# Altium PCB cheriot-test.PcbDoc (part 10 of 12)
Units mil, origin at the board's own origin, x right, y up, seen from the top; angles counter-clockwise.
Board outline 6629.92 x 3149.61 mil, 8 copper layers (Top Layer, Int1 (Sign), Int2 (GND), Int3 (Sign), Int4 (Sign), Int5 (PWR), Int6 (Sign), Bottom Layer), stack 60.424 mil thick; 496 components, 639 nets, 2898 pads, 1737 vias.
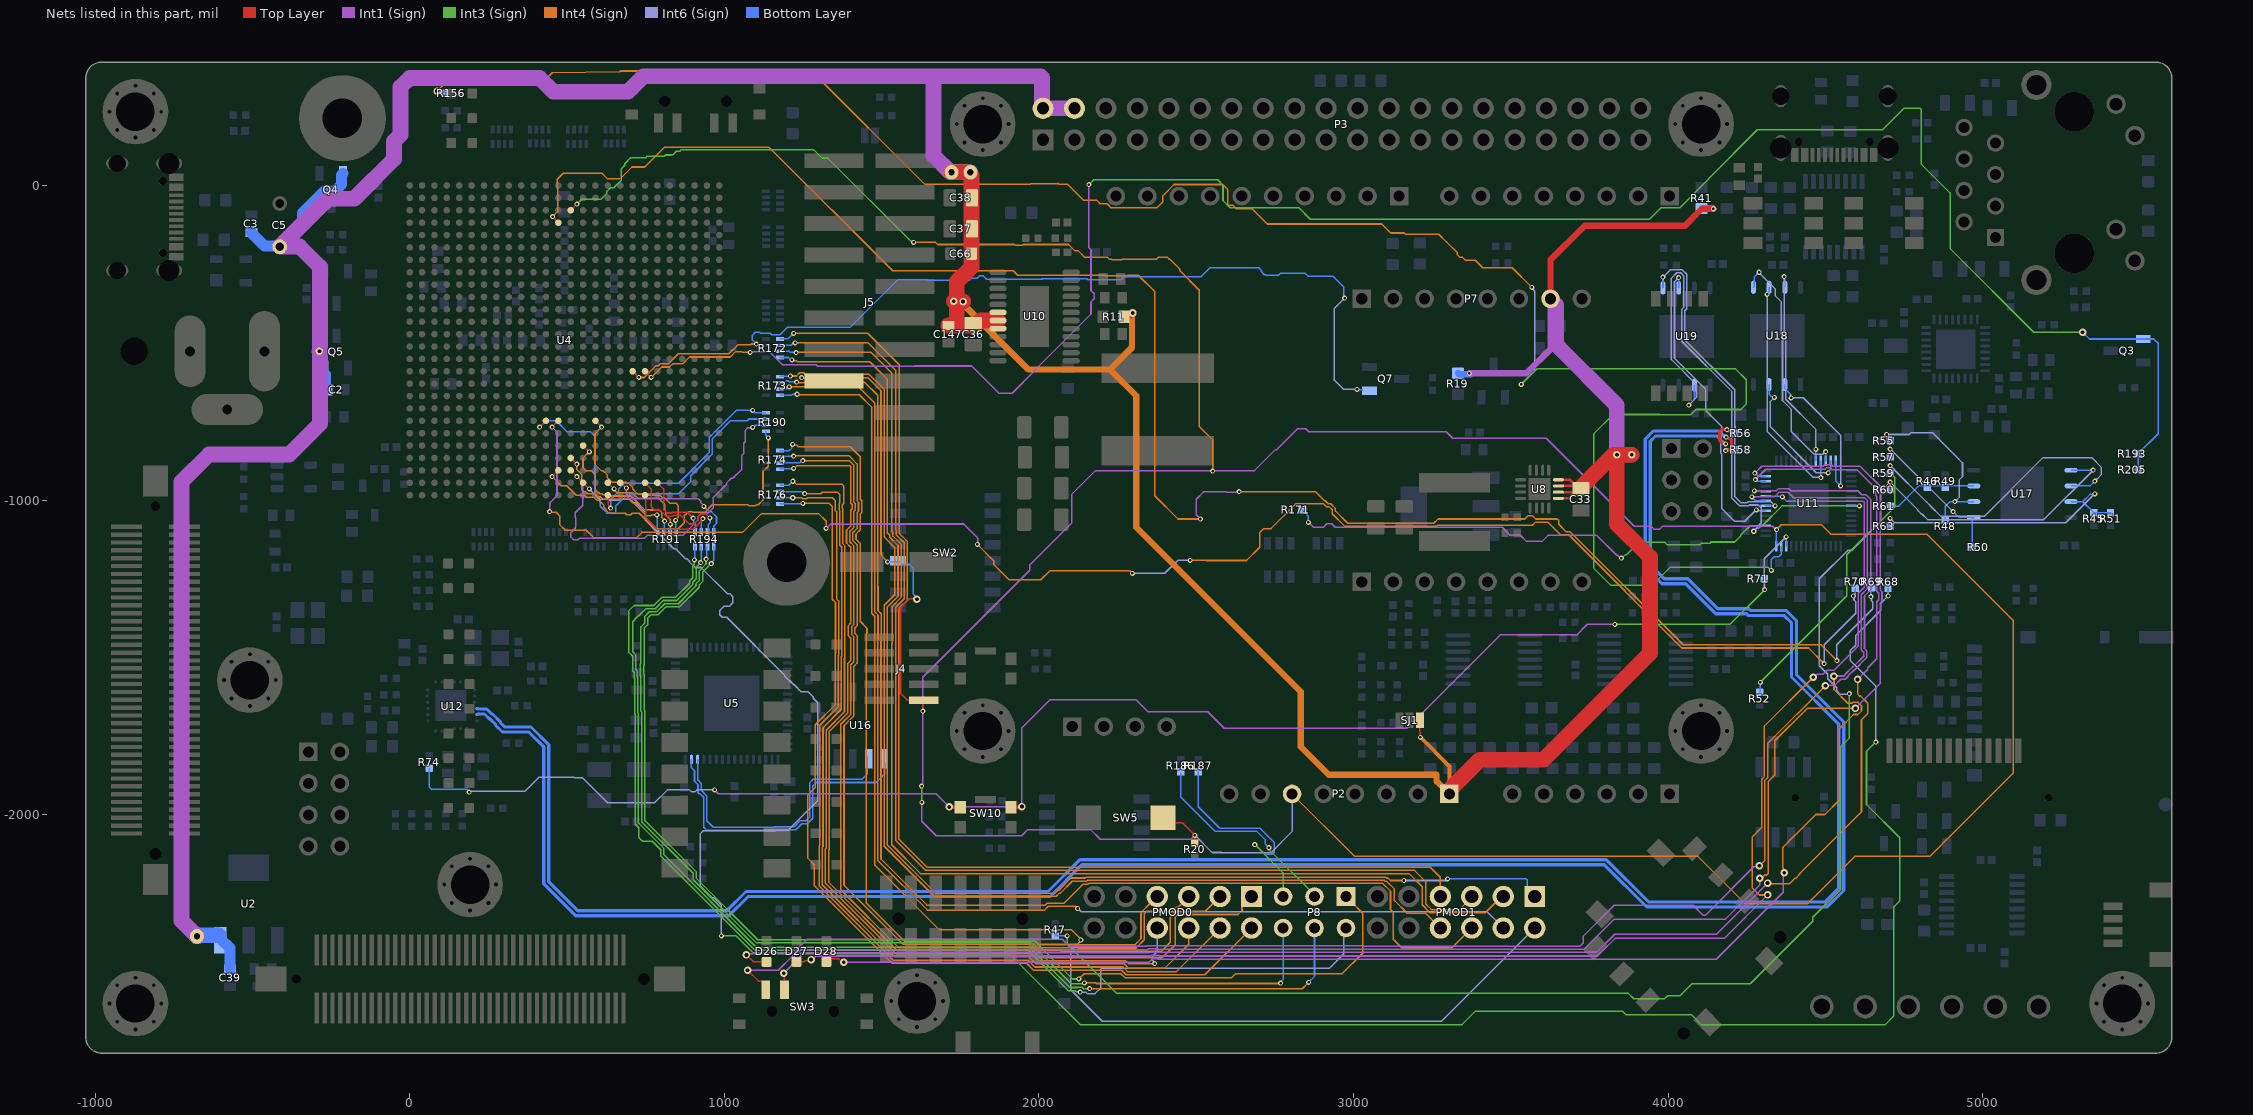
[diagram p16: the nets of this part, all layers, seen from the top]

## Via types
v1: diameter 16, hole 8, Top Layer to Bottom Layer, tented both sides, 1442 vias
v2: diameter 24, hole 12, Top Layer to Bottom Layer, tented both sides, 257 vias
v3: diameter 23.62, hole 11.81, Top Layer to Bottom Layer, tented both sides, 16 vias
v4: diameter 45, hole 20, Top Layer to Bottom Layer, 14 vias
v5: diameter 19.68, hole 8, Top Layer to Bottom Layer, 8 vias

## Nets (pads, with @x,y where several pads share a name; then routed paths per layer and width w, separated by ;. In a path a pad name is that pad's centre, name@x,y a point inside that pad or via, vN(x,y) a via of type N, cw(c..) or ccw(c..) an arc to the next point about the centre after c; other vN are vias at no path point) (continued)
NetR190_1A: R190.1A U4.P24 | length 1065.1
  Top Layer w5: v1(452.76,-925.2) U4.P24@472.44,-905.51
  Int4 (Sign) w5: v1(452.76,-925.2) 481.56,-954 499.01,-954 529.51,-984.5 554.74,-984.5 560.87,-990.64 586.1,-990.64 595.53,-1000.07 600.99,-1000.07 616.78,-1015.86 616.78,-1022.2 623.5,-1028.92 623.5,-1031.99 632.58,-1041.07 635.65,-1041.07 636.08,-1041.5 685.25,-1041.5 689.85,-1046.11 702.69,-1046.11 707.3,-1041.5 729.93,-1041.5 781.23,-1092.8 852.2,-1092.8 873,-1072 873,-1050 886,-1037 896.97,-1037 899.09,-1039.12 937.8,-1039.12 961.92,-1015 1074.94,-1015 1078.4,-1018.46 1099.52,-1018.46 1102.98,-1015 1108,-1015 1123,-1000 1123,-909 1140,-892 v1(1140,-802)
  Bottom Layer w5: R190.1A@1131.85,-781.5 1131.85,-793.99 1141,-803.14 v1@1141,-805
NetR190_2A: R190.2A U4.N24 | length 1112.7
  Top Layer w5: U4.N24@511.81,-905.51 v1(531.5,-925.2)
  Int1 (Sign) w5: v1(531.5,-925.2) 550.5,-944.2 550.5,-1016.42 526.5,-1040.42 526.5,-1055.58 527.42,-1056.5 527.42,-1085.91 526.5,-1086.83 526.5,-1089.64 512.5,-1103.64 512.5,-1117.42 521.58,-1126.5 534.42,-1126.5 539.92,-1121 746.08,-1121 755.54,-1111.54 868.38,-1111.54 916.5,-1063.42 916.5,-1052.58 925.58,-1043.5 938.42,-1043.5 940.88,-1041.04 949.05,-1041.04 965.5,-1024.59 965.5,-991.22 1007.34,-949.38 1007.34,-945.57 1022.28,-930.63 1027,-930.63 1056,-901.64 1056,-857.06 1061.5,-851.56 1061.5,-819.58 1066.28,-814.8 1066.28,-778.72 1074.76,-770.24 1088.89,-770.24 v1(1090.26,-768.88)
  Bottom Layer w5: v1(1090.26,-768.88) 1093.23,-768.88 1100.3,-761.81 R190.2A@1131.85,-761.81
NetR190_3A: R190.3A U4.R20 | length 1169.1
  Top Layer w5: v1(413.39,-767.72) U4.R20@433.07,-748.03
  Bottom Layer w5: v1(413.39,-767.72) 433.1,-748 465,-748 ; 465.5,-747.5 501.22,-783.22 575,-783.22 589,-797.22 589,-983.5 605.89,-1000.39 605.89,-1019.89 627.07,-1041.07 650.93,-1041.07 654.5,-1037.5 654.5,-1019.58 693.79,-980.29 853.71,-980.29 893,-941 893,-922.14 962,-853.14 962,-805.38 1019.38,-748 1073,-748 1078,-743 ; 1078,-742.13 R190.3A@1131.85,-742.13
NetR190_4A: R190.4A U4.K26 | length 718.6
  Top Layer w5: U4.K26@629.92,-984.25 630.66,-984.99 630.66,-1014.25 639,-1022.59 v1(639,-1025.57)
  Bottom Layer w5: v1(639,-1025.57) 639,-997.09 665.11,-970.99 665.11,-963.45 682.56,-946 855,-946 952,-849 952,-800 968.78,-783.22 970.02,-783.22 1038.24,-715 1087,-715 v1@1089,-717 ; v1@1090.5,-715.5 1097.44,-722.44 R190.4A@1131.85,-722.44
  other v1: 1090,-715
NetR191_1A: R191.1A U4.N23 | length 445.3
  Top Layer w5: U4.N23@511.81,-866.14 v1(531.5,-885.83)
  Int4 (Sign) w5: v1@533,-887 531.5,-888.5 531.5,-903.28 547,-918.78 547,-967.14 553.46,-973.6 557.98,-973.6 564.45,-980.07 583.93,-980.07 584.5,-980.64 590.24,-980.64 599.67,-990.07 607.2,-990.07 614.13,-997 698.62,-997 710.22,-1008.6 711.18,-1008.6 752.57,-1050 766.3,-1050 769.3,-1047 v1(786,-1047)
  Bottom Layer w5: v1(786,-1047) 787.04,-1048.04 787.04,-1100.82 R191.1A@788.07,-1101.85
NetR191_2A: R191.2A U4.M22 | length 491.5
  Top Layer w5: U4.M22@551.18,-826.77 v1(570.87,-846.46)
  Int4 (Sign) w5: v1(570.87,-846.46) 551,-866.32 551,-899 559,-907 578,-907 590,-919 590,-966.25 603.82,-980.07 611.34,-980.07 614.78,-983.5 633.5,-983.5 637,-987 702.76,-987 714.36,-998.6 715.32,-998.6 746.72,-1030 764,-1030 765.5,-1031.5 792.42,-1031.5 801.66,-1040.74 801.66,-1055.4 810.42,-1064.16 v1(810.42,-1066.42)
  Bottom Layer w5: R191.2A@807.76,-1101.85 809.09,-1100.52 809.09,-1067.75 v1(810.42,-1066.42)
NetR191_3A: R191.3A U4.K25 | length 301.5
  Top Layer w5: U4.K25@629.92,-944.88 v1(649.61,-964.57)
  Int4 (Sign) w5: v1@653,-969 653,-970 660,-977 706.9,-977 718.51,-988.6 719.46,-988.6 724.86,-994 790.92,-994 811.13,-1014.21 811.13,-1017.76 809.9,-1018.99 809.9,-1031.83 814,-1035.92 814,-1047.08 828.38,-1061.46 v1(828.38,-1077.3)
  Bottom Layer w5: R191.3A@827.44,-1101.85 827.91,-1101.38 827.91,-1077.77 v1(828.38,-1077.3)
NetR191_4A: R191.4A U4.L20 | length 569.7
  Top Layer w5: U4.L20@590.55,-748.03 v1(610.24,-767.72)
  Int4 (Sign) w5: v1@609,-768 609,-768.95 589,-788.95 589,-886.51 608.49,-906 614,-906 628.5,-920.5 628.5,-928.5 643,-943 688,-943 691,-946 695.4,-946 709.02,-959.63 709.02,-964.98 722.65,-978.6 723.6,-978.6 727,-982 756.87,-982 758.87,-984 795.06,-984 803.06,-992 809.54,-992 827.61,-1010.07 847.07,-1010.07 853,-1016 853,-1053.67 845.52,-1061.15 v1(845.52,-1064.13)
  Bottom Layer w5: v1(845.52,-1064.13) 846.32,-1064.93 846.32,-1101.05 R191.4A@847.13,-1101.85
NetR194_1A: R194.1A U4.F25 | length 247.8
  Top Layer w5: U4.F25@787.4,-944.88 807.09,-964.57 807.09,-1029.01 818.08,-1040 819.2,-1040 820.24,-1041.04 832.55,-1041.04 834.96,-1038.63 882.63,-1038.63 900,-1056 v1@900,-1058
  Bottom Layer w5: v1(901,-1057) 903.1,-1059.1 903.1,-1071.04 907.06,-1075 907.06,-1101.79 R194.1A@907.13,-1101.85
NetR194_2A: R194.2A U4.G26 | length 329.4
  Top Layer w5: U4.G26@748.03,-984.25 750,-986.22 750,-1055 787.8,-1092.8 901.27,-1092.8 926.5,-1067.56 926.5,-1067.48 933,-1060.98 v1@933,-1060
  Bottom Layer w5: R194.2A@926.81,-1101.85 926.81,-1067.17 932,-1061.98 v1(932,-1059)
NetR194_3A: R194.3A U4.G25 | length 369.8
  Top Layer w5: U4.G25@748.03,-944.88 767.72,-964.57 767.72,-1021 778.22,-1031.5 795.43,-1031.5 814.59,-1050.66 815.72,-1050.66 816.1,-1051.04 837.22,-1051.04 839.63,-1048.63 861.63,-1048.63 877,-1064 ; 877.04,-1063.96 889.01,-1075.93 903.99,-1075.93 916.5,-1063.42 916.5,-1052.58 925.58,-1043.5 941.5,-1043.5 v1(954.54,-1056.54)
  Bottom Layer w5: R194.3A@946.5,-1101.85 948.66,-1099.68 948.66,-1078.58 954.75,-1072.5 954.75,-1056.75 v1(954.54,-1056.54)
NetR194_4A: R194.4A U4.J25 | length 422.5
  Top Layer w5: U4.J25@669.29,-944.88 670.82,-944.88 687.44,-961.5 v1(688.98,-961.5)
  Int1 (Sign) w5: v1(688.98,-961.5) 688.53,-961.95 688.53,-986.53 698,-996 918,-996 925.45,-1003.45 925.45,-1007.63 935,-1017.18 v1(935,-1020)
  Bottom Layer w5: v1(935,-1020) 952.61,-1037.61 959.61,-1037.61 975.12,-1053.12 975.12,-1074.04 966.18,-1082.98 R194.4A@966.18,-1101.85
NetU5_62: U5.62 U16.2 | length 915.4
  Bottom Layer w5: U5.62@915.24,-1824.02 915.24,-1889.17 926.5,-1900.44 926.5,-1922.28 944.5,-1940.28 944.5,-1947.78 944.5,-2019.5 965,-2040 1157.58,-2040 1159.77,-2037.82 1222.19,-2037.82 1241,-2019 1259.28,-2019 1271,-2007.28 1271,-1899 1282.5,-1887.5 1437.5,-1887.5 1455,-1870 U16.2@1455,-1815
NetU5_63: U5.63 U16.1 | length 983.2
  Bottom Layer w5: U5.63@895.55,-1824.02 895.55,-1850.55 905.24,-1860.24 905.24,-1893.32 916.5,-1904.58 916.5,-1930.07 919.43,-1933 923.08,-1933 934.5,-1944.42 934.5,-1951.92 934.5,-2039.5 945,-2050 1161.72,-2050 1163.91,-2047.82 1227.19,-2047.82 1246,-2029 1263.43,-2029 1281,-2011.43 1281,-1909 1292.5,-1897.5 1482.5,-1897.5 1510,-1870 U16.1@1510,-1835
NetU11_31: U11.31 U19.2 | length 1581.4
  Int6 (Sign) w5: v1(4065.93,-697.92) 4090.17,-673.67 4090.17,-633.2 4010.24,-553.27 4010.24,-294.31 4027.11,-277.43 4039.95,-277.43 4049.03,-286.51 4049.03,-387.73 4043,-393.76 4043,-494.98 4201.48,-653.46 4201.48,-768.56 4202.5,-769.58 4202.5,-782.42 4201.48,-783.44 4201.48,-992.47 4226.79,-1017.77 4255.57,-1017.77 4257.92,-1015.42 4286.71,-1015.42 4295.93,-1024.64 4295.93,-1072.1 4282.53,-1085.49 4282.53,-1087.61 4272,-1098.14 v1(4272,-1099)
  Bottom Layer w5: v1(4065.93,-697.92) 4083.51,-680.34 U19.2@4083.51,-634.47 ; v1(4272,-1099) 4273.52,-1099 4283.72,-1088.8 4287.25,-1088.8 4290.32,-1085.73 4293.05,-1085.73 4295.93,-1082.86 4308.72,-1082.86 U11.31@4310.16,-1081.42
NetU11_34: U11.34 U19.6 | length 1010.3
  Int6 (Sign) w5: v1(4033.53,-292.93) 4020.24,-306.23 4020.24,-549.12 4119.98,-648.87 4119.98,-715.84 4170.98,-766.84 4170.98,-791.1 4167.26,-794.82 4167.26,-850.18 4170.98,-853.9 4170.98,-1027.45 4211.02,-1067.49 4243.72,-1067.49 v1(4280.28,-1030.92)
  Bottom Layer w5: U19.6@4033.51,-325.37 v1(4033.53,-292.93) ; v1(4280.28,-1030.92) 4283.26,-1030.92 4286.52,-1034.18 U11.34@4310.16,-1034.18
NetU11_35: U11.35 U19.5 | length 1073.1
  Int6 (Sign) w5: v1(3983.51,-291.49) 4007.56,-267.43 4044.1,-267.43 4059.03,-282.37 4059.03,-391.87 4053,-397.9 4053,-490.84 4211.48,-649.32 4211.48,-764.42 4212.5,-765.44 4212.5,-786.56 4211.48,-787.58 4211.48,-988.32 4230.93,-1007.77 4251.43,-1007.77 4253.78,-1005.42 4326.88,-1005.42 v1(4339.89,-1018.43)
  Bottom Layer w5: U19.5@3983.51,-325.37 v1(3983.51,-291.49) ; U11.35@4310.16,-1018.43 v1(4339.89,-1018.43)
NetU11_51: U11.51 U18.7 | length 661.9
  Int6 (Sign) w5: v1(4368.48,-289.68) 4368.86,-290.05 4368.86,-459.98 4373.38,-464.51 4373.38,-679.24 4469.61,-775.46 v1(4469.61,-838.42)
  Bottom Layer w5: v1(4368.48,-289.68) 4369.73,-290.93 4369.73,-322.32 U18.7@4370.98,-323.57 ; U11.51@4469.61,-874.73 v1(4469.61,-838.42)
NetU11_52: U11.52 U18.6 | length 746.4
  Int6 (Sign) w5: v1(4314.37,-346.29) 4314.37,-781.37 4452.06,-919.06 4452.23,-919.06 4460.65,-927.48 4484.25,-927.48 v1(4485.35,-928.59)
  Bottom Layer w5: v1(4314.37,-346.29) 4314.37,-344.82 4320.98,-338.2 U18.6@4320.98,-323.57 ; v1(4485.35,-928.59) U11.52@4485.35,-874.73
NetU11_53: U11.53 U18.5 | length 775.6
  Int6 (Sign) w5: v1(4288.91,-275.76) 4288.91,-277.46 4339.87,-328.42 4339.87,-349.87 4358.86,-368.87 4358.86,-471.25 4363.38,-475.77 4363.38,-683.38 4391.75,-711.75 4391.75,-782.49 4463.19,-853.92 4490.98,-853.92 4499.22,-845.68 v1(4500.42,-845.68)
  Bottom Layer w5: U18.5@4270.98,-323.57 4272.98,-321.57 4272.98,-291.68 v1(4288.91,-275.76) ; v1(4500.42,-845.68) 4500.76,-846.03 4500.76,-874.39 U11.53@4501.1,-874.73
NetU11_54: U11.54 U18.3 | length 436.5
  Int6 (Sign) w5: v1(4337.88,-673.34) 4325,-686.22 4325,-767 4471.09,-913.09 v1(4508.23,-913.09)
  Bottom Layer w5: U18.3@4320.98,-632.66 4320.98,-663.57 4328.64,-671.23 4335.78,-671.23 v1(4337.88,-673.34) ; v1(4508.23,-913.09) 4508.23,-910.11 4516.85,-901.49 U11.54@4516.85,-874.73
NetU11_55: U11.55 U18.2 | length 503.4
  Int6 (Sign) w5: v1(4390.98,-674.92) 4429.06,-674.92 4547.98,-793.84 v1(4547.98,-954.42)
  Bottom Layer w5: U18.2@4370.98,-632.66 4370.98,-645.82 4388.88,-663.72 4388.88,-672.82 v1(4390.98,-674.92) ; U11.55@4532.6,-874.73 4532.6,-939.04 v1(4547.98,-954.42)
NRST: J4.10 J5.15 P2.6 R20.2 SW2.12 SW5.2 U4.N3 U11.28 | length 13758.6
  Top Layer w5: U4.N3@511.81,-78.74 v1(531.5,-59.06) ; v1(1246,-611) 1338.17,-611 J5.15@1348.43,-621.26 ; v2(1612.07,-1315.07) 1611,-1314 1588,-1314 1560,-1342 1560,-1614 1581.43,-1635.43 J4.10@1633.86,-1635.43 1631,-1638.29 v1(1631,-1671) ; SW5.2@2394.09,-2009.92 2409.09,-2024.92 2455.48,-2024.92 v1(2495.98,-2065.43) R20.2@2495.98,-2090.24
  Int1 (Sign) w5: v1@1625,-1915 1631,-1909 v1(1631,-1671) 1631,-1563 1971,-1223 1971,-1206 2103.84,-1073.16 2103.84,-982.29 2180.14,-906 2685.42,-906 2751.97,-839.44 2755.56,-839.44 2822.11,-772.89 2847.89,-772.89 2857.62,-782.62 3294.45,-782.62 3315.05,-803.23 3612.52,-803.23 3892.22,-1082.93 3945.83,-1082.93 3954.91,-1092.02 3973.08,-1092.02 3982.16,-1082.93 4332.4,-1082.93 4343.57,-1094.1 v1(4344.45,-1094.1) ; v1(1628,-1961) 1628,-2020.58 1673.92,-2066.5 1945.08,-2066.5 1964.42,-2047.15 2163.93,-2047.15 2194.57,-2077.79 2483.62,-2077.79 v1(2495.98,-2065.43)
  Int3 (Sign) w5: v1(531.5,-59.06) 547,-43.56 608.29,-43.56 625.74,-26.11 625.74,-20.26 635.17,-10.83 636.02,-10.83 639.62,-7.24 648.9,-7.24 673.08,16.93 673.08,53.58 683.5,64.01 683.5,69.3 702.81,88.61 751.06,88.61 755.19,92.74 808.16,92.74 812.43,97 831.82,97 832.82,98 836.63,98 847.63,109 858.43,109 862.43,113 1284.99,113 1311.99,86 1330,86 1594,-178 1599,-178 v1(1602,-181) ; v1(1627,-1909) 1627.5,-1909.5 1627.5,-1959.5 1627,-1960 v1(1628,-1961)
  Int4 (Sign) w5: v1(1246,-611) 1456.86,-611 1498,-652.14 1498,-1175.21 v1(1518.79,-1196) ; v1(1602,-181) 1671.29,-181 1677.79,-187.5 1923.44,-187.5 1926.44,-190.5 1947.56,-190.5 1950.56,-187.5 2094,-187.5 2113.42,-206.92 2124,-206.92 2145.58,-228.5 2218,-228.5 2224.5,-235 2230.8,-235 2232.3,-236.5 2261.7,-236.5 2263.2,-235 2372.8,-235 2379.3,-228.5 2408.7,-228.5 2414.45,-234.25 2416.4,-234.25 2447.5,-265.35 2447.5,-270.5 2510,-333 2510,-766 2552,-808 v1(2552,-908) ; P2.6@2804.72,-1933.94 3002.91,-2132.12 4095,-2132.12 ; 4095,-2133 4244,-2282 4444,-2282 4593.88,-2132.12 4831.93,-2132.12 5096.98,-1867.06 5096.98,-1382.57 4823.54,-1109.13 4518.28,-1109.13 4487.28,-1078.13 4359.12,-1078.13 4344.45,-1092.81 v1(4344.45,-1094.1)
  Int6 (Sign) w5: v1(2495.98,-2065.43) 2550.48,-2119.92 2580.56,-2119.92 2581.06,-2120.42 2737.4,-2120.42 2804.72,-2053.1 P2.6@2804.72,-1933.94
  Bottom Layer w5: v1@1520,-1198 1522,-1196 1548.25,-1196 SW2.12@1552.13,-1192.13 1564.59,-1204.59 1588.59,-1204.59 1601,-1217 1601,-1298.86 1612.07,-1309.93 v2(1612.07,-1315.07) ; U11.28@4343.62,-1146.38 4344.03,-1145.97 4344.03,-1094.52 v1(4344.45,-1094.1)
PMOD0_1: PMOD0.1 R174.1B | length 3177.3
  Int4 (Sign) w5: v1(1220,-899) 1222.98,-899 1231.73,-890.25 1399.03,-890.25 1401.96,-893.18 1401.96,-1010.04 1406.5,-1014.58 1406.5,-1027.42 1401.96,-1031.96 1401.96,-1082.04 1388.5,-1095.5 1388.5,-1136.5 1401.96,-1149.96 1401.96,-1391.18 1394.5,-1398.64 1394.5,-1431.36 1401.96,-1438.82 1401.96,-1509.68 1392.12,-1519.52 1392.12,-1676.92 1333.79,-1735.25 1333.79,-2109.79 1331.5,-2112.08 1331.5,-2213.93 1549.57,-2432 1977.57,-2432 1999.57,-2454 2392,-2454 2433,-2413 2433,-2325 2441,-2317 2633,-2317 2645.48,-2304.52 2645.48,-2290.42 PMOD0.1@2670.91,-2265
  Bottom Layer w5: R174.1B@1177.13,-901.5 1178.37,-900.25 1218.75,-900.25 v1@1219,-900
PMOD0_2: PMOD0.2 R174.2B | length 3029.6
  Int4 (Sign) w5: v1(1250,-874.75) 1397.67,-874.75 1411.96,-889.04 1411.96,-1005.9 1416.5,-1010.44 1416.5,-1031.56 1411.96,-1036.1 1411.96,-1086.18 1398.5,-1099.64 1398.5,-1132.36 1411.96,-1145.82 1411.96,-1395.32 1404.5,-1402.78 1404.5,-1427.22 1411.96,-1434.68 1411.96,-1513.82 1402.12,-1523.67 1402.12,-1681.07 1370.5,-1712.68 1370.5,-2238.78 1553.72,-2422 1981.71,-2422 1992.21,-2432.5 2069.68,-2432.5 2070.82,-2433.64 2389.36,-2433.64 2417.48,-2405.52 2417.48,-2326.37 2436.86,-2307 2528.91,-2307 2566.91,-2269 PMOD0.2@2574,-2269
  Bottom Layer w5: R174.2B@1177.13,-881.81 1239.96,-881.81 1244.92,-876.85 1249.85,-876.85 v1@1250,-877
PMOD0_3: PMOD0.3 R174.3B | length 2921.6
  Int4 (Sign) w5: v1(1220,-860) 1220.75,-859.25 1396.31,-859.25 1421.96,-884.89 1421.96,-1001.75 1426.5,-1006.3 1426.5,-1035.7 1421.96,-1040.25 1421.96,-1090.32 1408.5,-1103.78 1408.5,-1128.22 1421.96,-1141.68 1421.96,-1399.46 1414.5,-1406.92 1414.5,-1423.08 1421.96,-1430.54 1421.96,-1517.96 1412.12,-1527.81 1412.12,-1685.21 1380.5,-1716.82 1380.5,-2224.2 1568.3,-2412 1985.85,-2412 1996.35,-2422.5 2121.89,-2422.5 2123.03,-2423.64 2308.51,-2423.64 2334.48,-2397.66 2334.48,-2314.52 2341.65,-2307.35 2422.36,-2307.35 2435.79,-2293.93 2441.98,-2293.93 2466,-2269.91 PMOD0.3@2466,-2265
  Bottom Layer w5: R174.3B@1177.13,-862.13 1178.19,-861.06 1221.06,-861.06 v1@1222,-862
PMOD0_4: PMOD0.4 R174.4B | length 2801.5
  Int4 (Sign) w5: v1(1217,-823) 1219.1,-825.1 1230.1,-825.1 1235,-830 1400,-830 1431.96,-861.96 1431.96,-997.61 1436.5,-1002.15 1436.5,-1039.85 1431.96,-1044.39 1431.96,-1094.46 1418.5,-1107.92 1418.5,-1124.08 1431.96,-1137.54 1431.96,-1385.38 1453.5,-1406.92 1453.5,-1423.08 1451.12,-1425.46 1451.12,-2280.67 1572.44,-2402 1989.99,-2402 2000.49,-2412.5 2126.03,-2412.5 2127.17,-2413.64 2304.36,-2413.64 2324.48,-2393.52 2324.48,-2310.37 2355.41,-2279.45 PMOD0.4@2355.41,-2269.41
  Bottom Layer w5: R174.4B@1177.13,-842.44 1206.56,-842.44 1214.9,-834.1 1214.9,-825.1 v1(1217,-823)
PMOD0_5: PMOD0.7 R176.1B | length 2989.3
  Int4 (Sign) w5: v1(1250,-1010.5) 1250.5,-1010 1333,-1010 1343.33,-1020.33 1343.33,-1314.88 1353.5,-1325.05 1353.5,-1488.35 1352.12,-1489.73 1352.12,-1650.88 1289,-1714 1289,-1913.5 1264.79,-1937.71 1264.79,-2137.21 1286.29,-2158.71 1286.29,-2225.28 1533.01,-2472 1961,-2472 1983,-2494 2263,-2494 2277.5,-2508.5 2527.41,-2508.5 PMOD0.7@2672.91,-2363
  Bottom Layer w5: R176.1B@1177.13,-1012.13 1177.94,-1011.31 1248.31,-1011.31 v1@1249,-1012
PMOD0_6: PMOD0.8 R176.2B | length 2877.8
  Int4 (Sign) w5: v1(1217.56,-992.44) 1246.02,-992.44 1248.58,-995 1261.42,-995 1263.98,-992.44 1343.44,-992.44 1353.33,-1002.33 1353.33,-1033.53 1357,-1037.2 1357,-1314.41 1363.5,-1320.91 1363.5,-1492.49 1362.12,-1493.88 1362.12,-1656.88 1303.79,-1715.21 1303.79,-2097.37 1301.5,-2099.65 1301.5,-2226.35 1537.15,-2462 1965.14,-2462 1987.14,-2484 2267.14,-2484 2281.64,-2498.5 2437.41,-2498.5 2561.91,-2374 PMOD0.8@2580,-2374
  Bottom Layer w5: R176.2B@1177.13,-992.44 1215.56,-992.44 v1@1216,-992
PMOD0_7: PMOD0.9 R176.3B | length 2822.9
  Int4 (Sign) w5: v1(1255,-979.5) 1306.74,-979.5 1311.24,-975 1360,-975 1367,-982 1367,-1008.94 1365.5,-1010.44 1365.5,-1031.56 1367,-1033.06 1367,-1143.29 1373.5,-1149.79 1373.5,-1496.63 1372.12,-1498.02 1372.12,-1664.88 1313.79,-1723.21 1313.79,-2101.51 1311.5,-2103.8 1311.5,-2222.21 1541.29,-2452 1969.28,-2452 1991.28,-2474 2271.28,-2474 2285.78,-2488.5 2399.5,-2488.5 2475.98,-2412.02 2475.98,-2366.98 PMOD0.9@2474,-2365
  Bottom Layer w5: R176.3B@1177.13,-972.76 1245.28,-972.76 1250.52,-978 v1@1257,-978
PMOD0_8: PMOD0.10 R176.4B | length 2783.4
  Int4 (Sign) w5: v1(1217.88,-940) 1219.8,-940 1229.8,-950 1375,-950 1380,-955 1380,-1010.08 1375.5,-1014.58 1375.5,-1027.42 1377,-1028.92 1377,-1139.15 1383.5,-1145.65 1383.5,-1500.77 1382.12,-1502.16 1382.12,-1672.78 1323.79,-1731.11 1323.79,-2105.65 1321.5,-2107.94 1321.5,-2218.07 1545.43,-2442 1973.43,-2442 1995.43,-2464 2275.42,-2464 2284.42,-2473 v1(2368,-2473)
  Int6 (Sign) w5: v1(2368,-2473) 2368,-2470.02 2360,-2462.02 2360,-2450.5 2375.98,-2434.52 PMOD0.10@2375.98,-2359.92
  Bottom Layer w5: R176.4B@1177.13,-953.07 1204.8,-953.07 1214.88,-943 v1@1219,-943
PMOD1_1: PMOD1.1 R172.1B | length 4051.3
  Int4 (Sign) w5: v1(1215,-554.5) 1217.1,-556.6 1229.6,-556.6 1233,-560 1462,-560 1518,-616 1518,-1104 1526,-1112 1526,-1118.15 1552,-1144.15 1552,-1305.14 1518.5,-1338.64 1518.5,-1457.07 1518,-1457.57 1518,-2095.86 1671.14,-2249 2051,-2249 2059.83,-2240.17 2062.76,-2240.17 2101.94,-2201 2147.93,-2201 2150.51,-2198.42 3101.46,-2198.42 3104.04,-2201 3109.14,-2201 3117.14,-2209 v1(3160,-2209)
  Int6 (Sign) w5: v1(3160,-2209) 3294,-2209 v1(3299,-2204)
  Bottom Layer w5: R172.1B@1177.13,-546.81 1204.33,-546.81 1212.02,-554.5 v1(1215,-554.5) ; v1(3299,-2204) 3549,-2204 3551.93,-2206.93 3551.93,-2231.93 PMOD1.1@3568,-2248
PMOD1_2: PMOD1.2 R172.2B | length 3992.1
  Int4 (Sign) w5: v1(1228,-531) 1229,-530 1466,-530 1532,-596 1532,-1099 1536,-1103 1536,-1114 1562,-1140 1562,-1309.28 1533.5,-1337.78 1533.5,-1456.21 1532,-1457.71 1532,-2095.72 1623.28,-2187 3176,-2187 3218.23,-2229.23 3218.23,-2286.37 3243.28,-2311.42 3418.8,-2311.42 3468.22,-2262 PMOD1.2@3472,-2262
  Bottom Layer w5: R172.2B@1177.13,-527.13 1206.13,-527.13 1208.63,-529.63 1226.63,-529.63 v1(1228,-531)
PMOD1_3: PMOD1.3 R172.3B | length 3894.7
  Int4 (Sign) w5: v1(1225,-500) 1457,-500 1545,-588 1545,-1095 1546,-1096 1546,-1109.86 1572,-1135.86 1572,-1313.43 1545,-1340.43 1545,-2082 1640,-2177 3194,-2177 3229,-2212 3229,-2283 3247.42,-2301.42 3336.58,-2301.42 3369,-2269 PMOD1.3@3369,-2268
  Bottom Layer w5: R172.3B@1177.13,-507.44 1212.42,-507.44 1219.86,-500 v1(1225,-500)
PMOD1_4: PMOD1.4 R172.4B | length 3786.6
  Int4 (Sign) w5: v1(1220,-470) 1456,-470 1556,-570 1556,-1091.58 1556,-1105.72 1582,-1131.72 1582,-1317.57 1556,-1343.57 1556,-1345.14 1555,-1346.14 1555,-2077.86 1644.14,-2167 3244,-2167 3276,-2199 PMOD1.4@3276,-2257
  Bottom Layer w5: R172.4B@1177.13,-487.76 1177.44,-487.44 1202.56,-487.44 v1(1220,-470)
PMOD1_5: PMOD1.7 R173.1B | length 4333.5
  Int4 (Sign) w5: v1(1231.37,-663.53) 1232.84,-665 1429,-665 1468,-704 1468,-1282.22 1468.5,-1282.72 1468.5,-1359.43 1478.5,-1369.43 1478.5,-1440.5 1478,-1441 1478,-2160 1684,-2366 2104,-2366 2133.59,-2395.59 v1(2133.59,-2398.14)
  Int6 (Sign) w5: v1(2133.59,-2398.14) 2133.59,-2400.41 2101,-2433 2101,-2555.92 2201.08,-2656 3279.91,-2656 3563.91,-2372 PMOD1.7@3579,-2372
  Bottom Layer w5: R173.1B@1177.13,-666.5 1213.37,-666.5 1215.87,-664 1230.9,-664 v1(1231.37,-663.53)
PMOD1_6: PMOD1.8 R173.2B | length 3871.4
  Int4 (Sign) w5: v1(1206.5,-640.16) 1427.16,-640.16 1478,-691 1478,-1278.08 1478.5,-1278.58 1478.5,-1355.28 1488.5,-1365.28 1488.5,-1444.65 1488,-1445.15 1488,-2145.14 1645.86,-2303 2018.08,-2303 2029.91,-2291.17 2116.17,-2291.17 v1(2123,-2298)
  Int6 (Sign) w5: v1(2123,-2298) 2124.92,-2298 2134.92,-2308 3424.06,-2308 3462.06,-2346 PMOD1.8@3483,-2346
  Bottom Layer w5: R173.2B@1177.13,-646.81 1197.42,-646.81 1204.07,-640.16 v1(1206.5,-640.16)
PMOD1_7: PMOD1.9 R173.3B | length 3957.1
  Int4 (Sign) w5: v1(1230.05,-624.66) 1231.89,-626.5 1252.42,-626.5 1253.95,-624.97 1445.97,-624.97 1488,-667 1488,-1273.94 1488.5,-1274.44 1488.5,-1351.14 1498.5,-1361.14 1498.5,-1448.79 1498,-1449.29 1498,-2141 1644,-2287 2019.94,-2287 2025.76,-2281.17 2079.75,-2281.17 2139.92,-2221 2156.22,-2221 2158.79,-2218.42 3093.17,-2218.42 3117.48,-2242.73 3117.48,-2301.48 3126,-2310 3126,-2396 3153,-2423 3312.91,-2423 3355.41,-2380.5 PMOD1.9@3366.5,-2380.5